# Altium PCB openservo_tessellated.PcbDoc (part 3 of 13)
Units mm, origin at the board's own origin, x right, y up, seen from the top; angles counter-clockwise.
Board outline 225 x 202.5 mm, 2 copper layers (Top Layer, Bottom Layer); 1250 components, 19 nets, 5300 pads, 1100 vias.
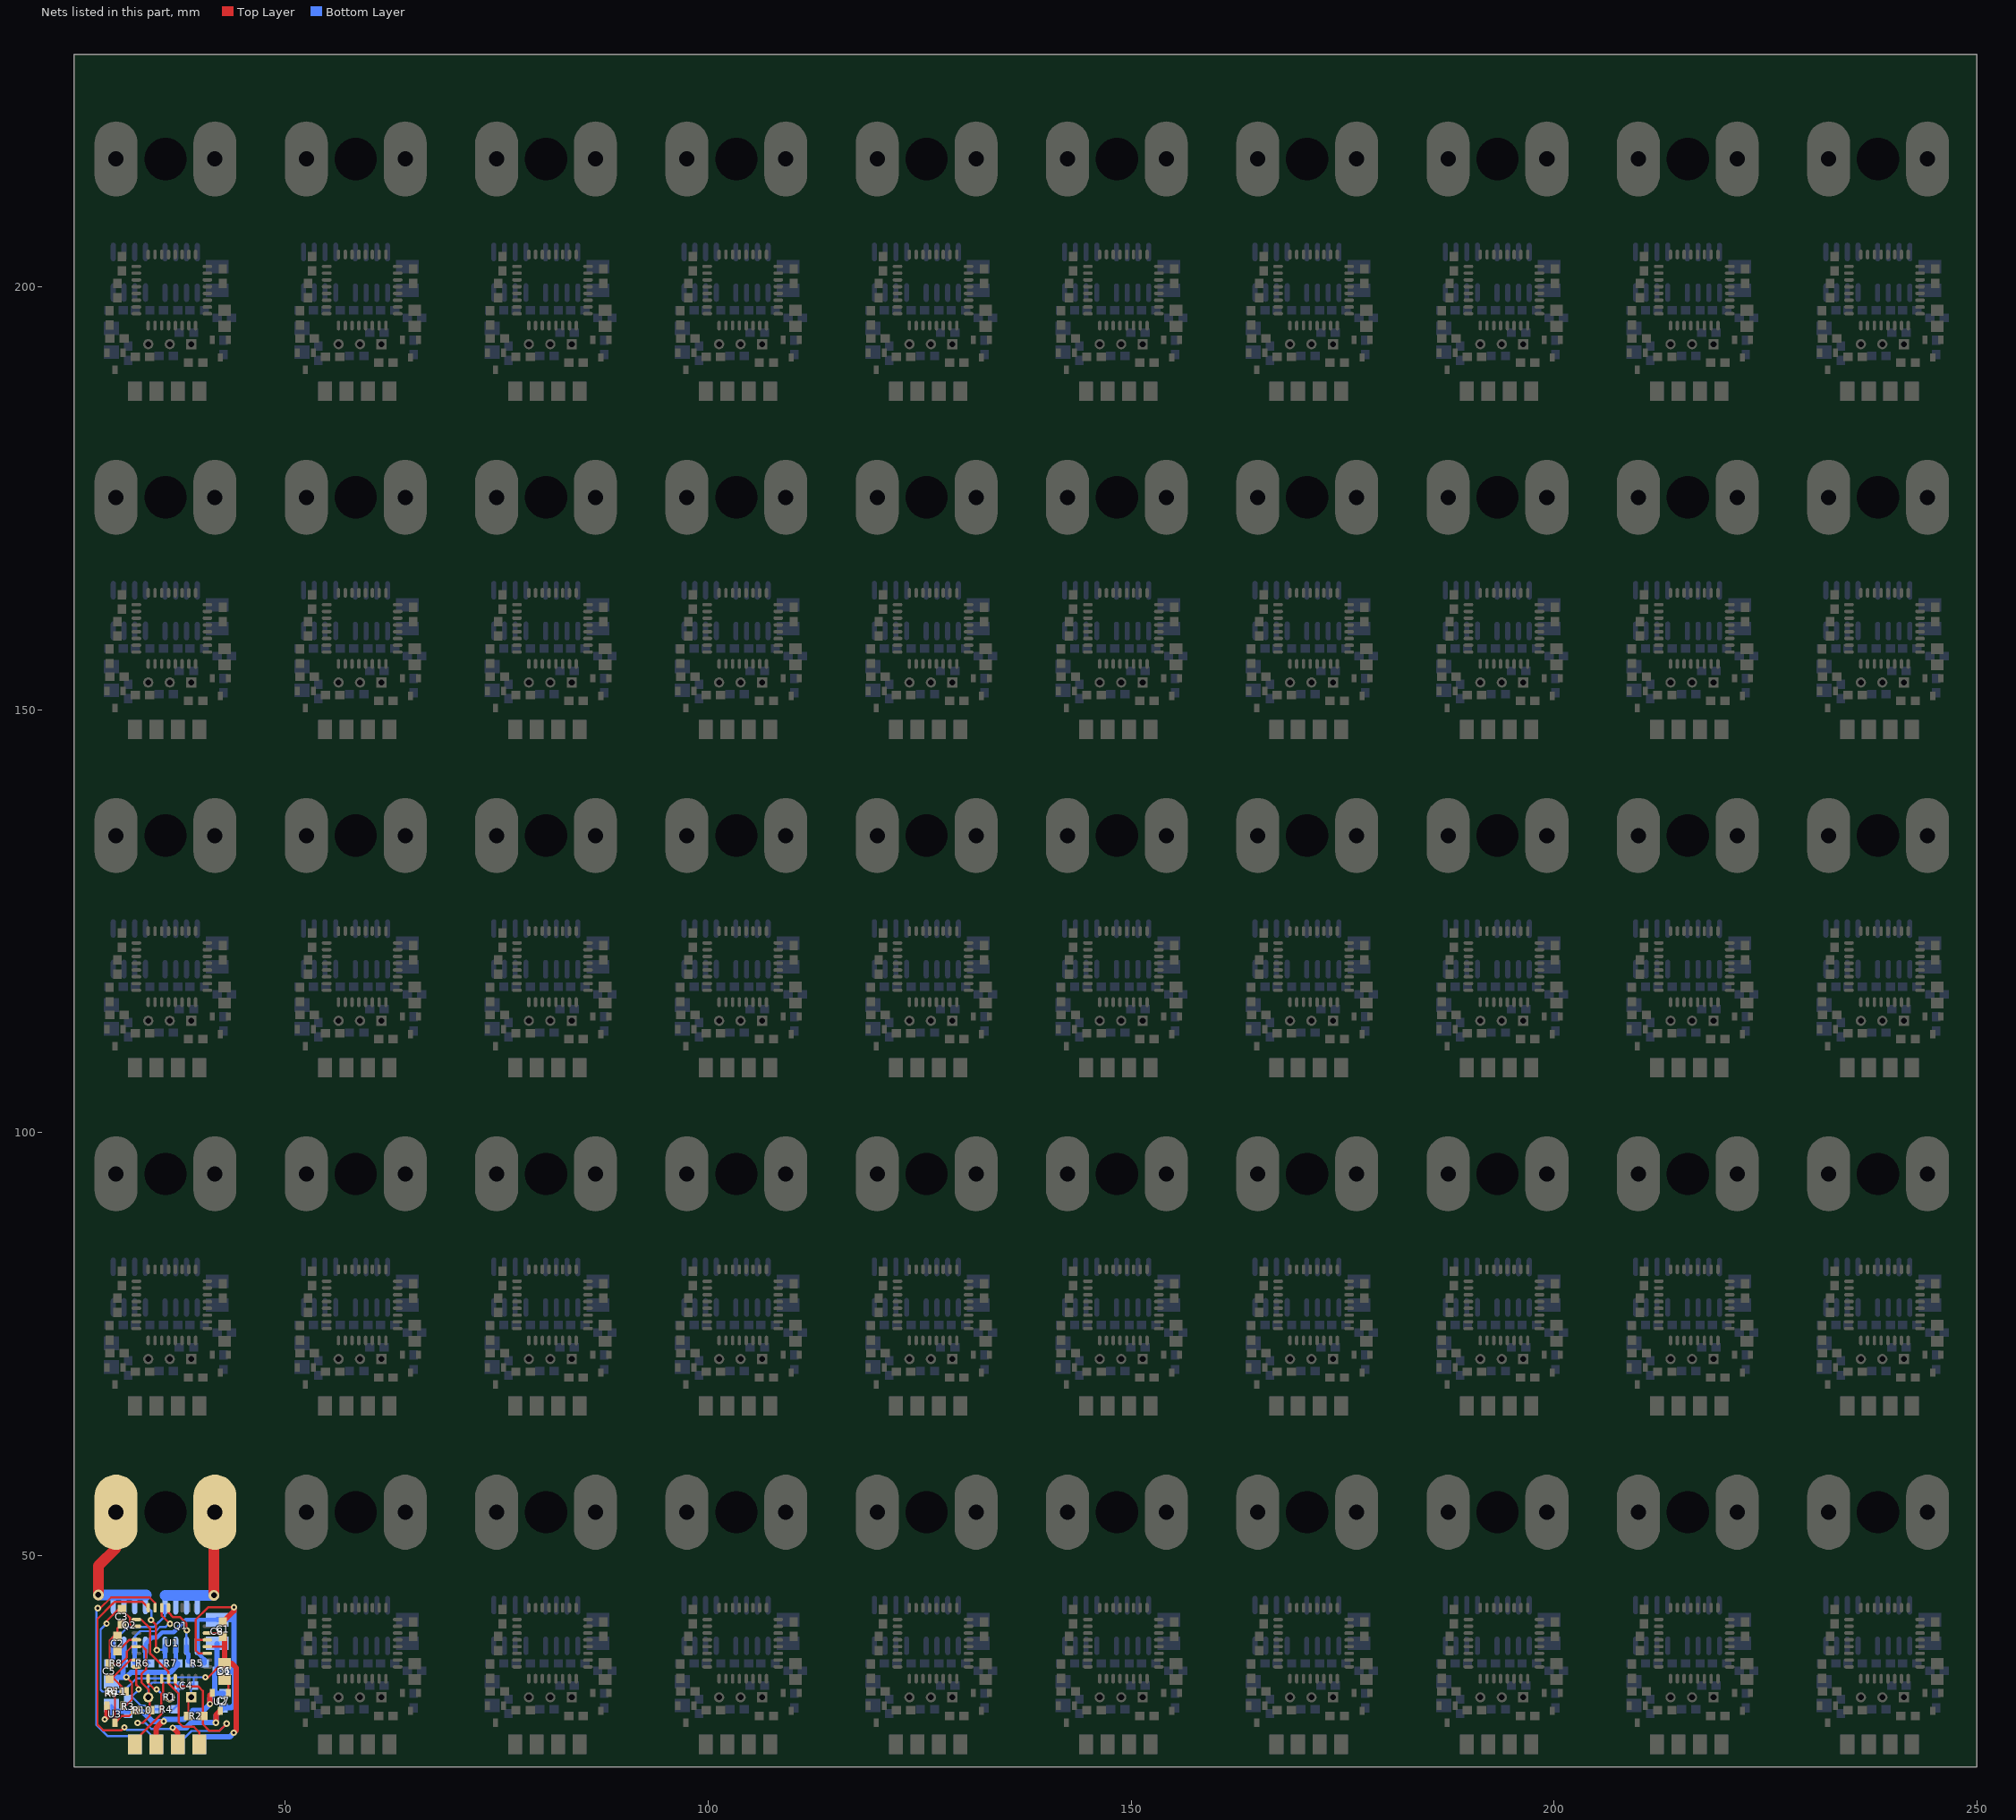
[diagram p3: the nets of this part, all layers, seen from the top]

## Components (designator, comment, footprint, x,y, rotation, side; value= is the part's Value field where it differs from the comment) (continued)
U3_1_1_2_1_1 "Header 3" SOT23_L 97.345,191.217 r270 top (schematic designator U3)
U3_1_1_2_2 "Header 3" SOT23_L 97.345,151.217 r270 top (schematic designator U3)
U3_1_2 "Header 3" SOT23_L 142.345,31.217 r270 top (schematic designator U3)
U3_1_2_1 "Header 3" SOT23_L 142.345,71.217 r270 top (schematic designator U3)
U3_1_2_1_1 "Header 3" SOT23_L 142.345,111.217 r270 top (schematic designator U3)
U3_1_2_1_1_1 "Header 3" SOT23_L 142.345,191.217 r270 top (schematic designator U3)
U3_1_2_1_2 "Header 3" SOT23_L 142.345,151.217 r270 top (schematic designator U3)
U3_1_3 "Header 3" SOT23_L 52.345,71.217 r270 top (schematic designator U3)
U3_1_3_1 "Header 3" SOT23_L 52.345,111.217 r270 top (schematic designator U3)
U3_1_3_1_1 "Header 3" SOT23_L 52.345,191.217 r270 top (schematic designator U3)
U3_1_3_2 "Header 3" SOT23_L 52.345,151.217 r270 top (schematic designator U3)
U3_2 "Header 3" SOT23_L 74.845,31.217 r270 top (schematic designator U3)
U3_2_1 "Header 3" SOT23_L 164.845,31.217 r270 top (schematic designator U3)
U3_2_1_1 "Header 3" SOT23_L 209.845,31.217 r270 top (schematic designator U3)
U3_2_1_1_1 "Header 3" SOT23_L 209.845,71.217 r270 top (schematic designator U3)
U3_2_1_1_1_1 "Header 3" SOT23_L 209.845,111.217 r270 top (schematic designator U3)
U3_2_1_1_1_1_1 "Header 3" SOT23_L 209.845,191.217 r270 top (schematic designator U3)
U3_2_1_1_1_2 "Header 3" SOT23_L 209.845,151.217 r270 top (schematic designator U3)
U3_2_1_2 "Header 3" SOT23_L 164.845,71.217 r270 top (schematic designator U3)
U3_2_1_2_1 "Header 3" SOT23_L 164.845,111.217 r270 top (schematic designator U3)
U3_2_1_2_1_1 "Header 3" SOT23_L 164.845,191.217 r270 top (schematic designator U3)
U3_2_1_2_2 "Header 3" SOT23_L 164.845,151.217 r270 top (schematic designator U3)
U3_2_2 "Header 3" SOT23_L 74.845,71.217 r270 top (schematic designator U3)
U3_2_2_1 "Header 3" SOT23_L 74.845,111.217 r270 top (schematic designator U3)
U3_2_2_1_1 "Header 3" SOT23_L 74.845,191.217 r270 top (schematic designator U3)
U3_2_2_2 "Header 3" SOT23_L 74.845,151.217 r270 top (schematic designator U3)
U3_3 "Header 3" SOT23_L 119.845,31.217 r270 top (schematic designator U3)
U3_3_1 "Header 3" SOT23_L 119.845,71.217 r270 top (schematic designator U3)
U3_3_1_1 "Header 3" SOT23_L 119.845,111.217 r270 top (schematic designator U3)
U3_3_1_1_1 "Header 3" SOT23_L 119.845,191.217 r270 top (schematic designator U3)
U3_3_1_2 "Header 3" SOT23_L 119.845,151.217 r270 top (schematic designator U3)
U3_4 "Header 3" SOT23_L 29.845,71.217 r270 top (schematic designator U3)
U3_4_1 "Header 3" SOT23_L 29.845,111.217 r270 top (schematic designator U3)
U3_4_1_1 "Header 3" SOT23_L 29.845,191.217 r270 top (schematic designator U3)
U3_4_2 "Header 3" SOT23_L 29.845,151.217 r270 top (schematic designator U3)

## Footprints (in the part's own frame and the unit in brackets; to place one, negate y for a bottom-side part, rotate by r counter-clockwise, add the part's x,y. Pads: shape width x height; smd on the part's side, far side on the other; paste and mask are expansions set on the pad)
32A_N [mm] "Thin QFP, 32-Leads, Body 7x7mm, Pitch 0.8mm, IPC Medium Density"
  oval 1.143x0.406 smd paste+0: 1(-4.2,2.8) 2(-4.2,2) 3(-4.2,1.2) 4(-4.2,0.4) 5(-4.2,-0.4) 6(-4.2,-1.2) 7(-4.2,-2) 8(-4.2,-2.8) 17(4.2,-2.8) 18(4.2,-2) 19(4.2,-1.2) 20(4.2,-0.4) 21(4.2,0.4) 22(4.2,1.2) 23(4.2,2) 24(4.2,2.8)
  oval 0.406x1.143 smd paste+0: 9(-2.8,-4.2) 10(-2,-4.2) 11(-1.2,-4.2) 12(-0.4,-4.2) 13(0.4,-4.2) 14(1.2,-4.2) 15(2,-4.2) 16(2.8,-4.2) 25(2.8,4.2) 26(2,4.2) 27(1.2,4.2) 28(0.4,4.2) 29(-0.4,4.2) 30(-1.2,4.2) 31(-2,4.2) 32(-2.8,4.2)
  silkscreen extent -4.33,-2.95 2.95,3.75, body extent -3.5,-3.5 3.5,3.5, height 1.2
1608[0603] [mm] "Chip Capacitor; Body 1.6 x 0.8 mm (LxW typ)"
  rect 1.1x1 smd: 1(-0.85,0) 2(0.85,0)
2012[0805] [mm] "Chip Resistor; Body 2.0 x 1.3 mm (LxW typ)"
  rect 1.3x1.5 smd: 1(-0.95,0) 2(0.95,0)
3216[1206] [mm] "Chip Resistor; Body 3.2 x 1.6 mm (LxW typ)"
  rect 1.6x1.8 smd: 1(-1.4,0) 2(1.4,0)
  silkscreen extent -0.3,-0.8 0.3,0.8
C1210 [mm] "Chip Capacitor; Body 3.2 x 2.5 mm (LxW typ)"
  rect 1.6x2.7 smd: 1(-1.4,0) 2(1.4,0)
  silkscreen extent -0.3,-1.25 0.3,1.25
J1-0603 [mm] "Chip Resistor; Body 1.6 x 0.8 mm (LxW typ)"
  rect 1.1x1 smd: 1(-0.85,0) 2(0.85,0)
MF03A_N [mm] "SOT23, 3-Leads, Body 2.9x1.3mm, Pitch 0.95mm, Lead Span 2.4mm, IPC Medium Density"
  rect 0.965x0.6 smd: 1(-1.05,0.95) 2(-1.05,-0.95) 3(1.05,0)
  silkscreen extent -1.17,-1.5 0.7,1.93, body extent -0.7,-1.5 0.7,1.5, height 1.12
SO-8_N [mm] "SOIC, 8-Leads, Body 4.9x3.9mm, Pitch 1.27mm, IPC Medium Density"
  oval 2.2x0.6 smd: 1(-2.4,1.905) 2(-2.4,0.635) 3(-2.4,-0.635) 4(-2.4,-1.905) 5(2.4,-1.905) 6(2.4,-0.635) 7(2.4,0.635) 8(2.4,1.905)
  silkscreen extent -2.52,-2.5 0.9,2.88, body extent -1.95,-2.45 1.95,2.45, height 1.75
SOT23_L [mm] "SOT23, 3-Leads, Body 2.9x1.3mm, Pitch 0.95mm, Lead Span 2.3mm, IPC High Density"
  rect 1x0.6 smd: 1(-1,0.95) 2(-1,-0.95) 3(1,0)
  silkscreen extent -1.12,-1.5 0.7,1.93, body extent -0.7,-1.5 0.7,1.5, height 1.1
VR5 [mm] "Potentiometer; 3 Leads"
  rect 1.2x1.2 hole 0.7: 1(-2.54,0)
  round 1.2 hole 0.7: 2(0,0) 3(2.54,0)
  silkscreen extent -5.08,-2.54 6.35,2.54

## Part data
C1 C1_1 C1_1_1 C1_1_1_1 C1_1_1_1_1 C1_1_1_1_1_1 C1_1_1_1_1_1_1 C1_1_1_1_1_1_1_1 C1_1_1_1_1_1_2 C1_1_1_1_2 C1_1_1_1_2_1 C1_1_1_1_2_1_1 C1_1_1_1_2_2 C1_1_1_2 C1_1_1_2_1 C1_1_1_2_1_1 C1_1_1_2_2 C1_1_2 C1_1_2_1 C1_1_2_1_1 C1_1_2_1_1_1 C1_1_2_1_2 C1_1_3 C1_1_3_1 C1_1_3_1_1 C1_1_3_2 C1_2 C1_2_1 C1_2_1_1 C1_2_1_1_1 C1_2_1_1_1_1 C1_2_1_1_1_1_1 C1_2_1_1_1_2 C1_2_1_2 C1_2_1_2_1 C1_2_1_2_1_1 C1_2_1_2_2 C1_2_2 C1_2_2_1 C1_2_2_1_1 C1_2_2_2 C1_3 C1_3_1 C1_3_1_1 C1_3_1_1_1 C1_3_1_2 C1_4 C1_4_1 C1_4_1_1 C1_4_2 C2 C2_1 C2_1_1 C2_1_1_1 C2_1_1_1_1 C2_1_1_1_1_1 C2_1_1_1_1_1_1 C2_1_1_1_1_1_1_1 C2_1_1_1_1_1_2 C2_1_1_1_2 C2_1_1_1_2_1 C2_1_1_1_2_1_1 C2_1_1_1_2_2 C2_1_1_2 C2_1_1_2_1 C2_1_1_2_1_1 C2_1_1_2_2 C2_1_2 C2_1_2_1 C2_1_2_1_1 C2_1_2_1_1_1 C2_1_2_1_2 C2_1_3 C2_1_3_1 C2_1_3_1_1 C2_1_3_2 C2_2 C2_2_1 C2_2_1_1 C2_2_1_1_1 C2_2_1_1_1_1 C2_2_1_1_1_1_1 C2_2_1_1_1_2 C2_2_1_2 C2_2_1_2_1 C2_2_1_2_1_1 C2_2_1_2_2 C2_2_2 C2_2_2_1 C2_2_2_1_1 C2_2_2_2 C2_3 C2_3_1 C2_3_1_1 C2_3_1_1_1 C2_3_1_2 C2_4 C2_4_1 C2_4_1_1 C2_4_2 C3 C3_1 C3_1_1 C3_1_1_1 C3_1_1_1_1 C3_1_1_1_1_1 C3_1_1_1_1_1_1 C3_1_1_1_1_1_1_1 C3_1_1_1_1_1_2 C3_1_1_1_2 C3_1_1_1_2_1 C3_1_1_1_2_1_1 C3_1_1_1_2_2 C3_1_1_2 C3_1_1_2_1 C3_1_1_2_1_1 C3_1_1_2_2 C3_1_2 C3_1_2_1 C3_1_2_1_1 C3_1_2_1_1_1 C3_1_2_1_2 C3_1_3 C3_1_3_1 C3_1_3_1_1 C3_1_3_2 C3_2 C3_2_1 C3_2_1_1 C3_2_1_1_1 C3_2_1_1_1_1 C3_2_1_1_1_1_1 C3_2_1_1_1_2 C3_2_1_2 C3_2_1_2_1 C3_2_1_2_1_1 C3_2_1_2_2 C3_2_2 C3_2_2_1 C3_2_2_1_1 C3_2_2_2 C3_3 C3_3_1 C3_3_1_1 C3_3_1_1_1 C3_3_1_2 C3_4 C3_4_1 C3_4_1_1 C3_4_2 C4 C4_1 C4_1_1 C4_1_1_1 C4_1_1_1_1 C4_1_1_1_1_1 C4_1_1_1_1_1_1 C4_1_1_1_1_1_1_1 C4_1_1_1_1_1_2 C4_1_1_1_2 C4_1_1_1_2_1 C4_1_1_1_2_1_1 C4_1_1_1_2_2 C4_1_1_2 C4_1_1_2_1 C4_1_1_2_1_1 C4_1_1_2_2 C4_1_2 C4_1_2_1 C4_1_2_1_1 C4_1_2_1_1_1 C4_1_2_1_2 C4_1_3 C4_1_3_1 C4_1_3_1_1 C4_1_3_2 C4_2 C4_2_1 C4_2_1_1 C4_2_1_1_1 C4_2_1_1_1_1 C4_2_1_1_1_1_1 C4_2_1_1_1_2 C4_2_1_2 C4_2_1_2_1 C4_2_1_2_1_1 C4_2_1_2_2 C4_2_2 C4_2_2_1 C4_2_2_1_1 C4_2_2_2 C4_3 C4_3_1 C4_3_1_1 C4_3_1_1_1 C4_3_1_2 C4_4 C4_4_1 C4_4_1_1 C4_4_2 C5 C5_1 C5_1_1 C5_1_1_1 C5_1_1_1_1 C5_1_1_1_1_1 C5_1_1_1_1_1_1 C5_1_1_1_1_1_1_1 C5_1_1_1_1_1_2 C5_1_1_1_2 C5_1_1_1_2_1 C5_1_1_1_2_1_1 C5_1_1_1_2_2 C5_1_1_2 C5_1_1_2_1 C5_1_1_2_1_1 C5_1_1_2_2 C5_1_2 C5_1_2_1 C5_1_2_1_1 C5_1_2_1_1_1 C5_1_2_1_2 C5_1_3 C5_1_3_1 C5_1_3_1_1 C5_1_3_2 C5_2 C5_2_1 C5_2_1_1 C5_2_1_1_1 C5_2_1_1_1_1 C5_2_1_1_1_1_1 C5_2_1_1_1_2 C5_2_1_2 C5_2_1_2_1 C5_2_1_2_1_1 C5_2_1_2_2 C5_2_2 C5_2_2_1 C5_2_2_1_1 C5_2_2_2 C5_3 C5_3_1 C5_3_1_1 C5_3_1_1_1 C5_3_1_2 C5_4 C5_4_1 C5_4_1_1 C5_4_2 C6 C6_1 C6_1_1 C6_1_1_1 C6_1_1_1_1 C6_1_1_1_1_1 C6_1_1_1_1_1_1 C6_1_1_1_1_1_1_1 C6_1_1_1_1_1_2 C6_1_1_1_2 C6_1_1_1_2_1 C6_1_1_1_2_1_1 C6_1_1_1_2_2 C6_1_1_2 C6_1_1_2_1 C6_1_1_2_1_1 C6_1_1_2_2 C6_1_2 C6_1_2_1 C6_1_2_1_1 C6_1_2_1_1_1 C6_1_2_1_2 C6_1_3 C6_1_3_1 C6_1_3_1_1 C6_1_3_2 C6_2 C6_2_1 C6_2_1_1 C6_2_1_1_1 C6_2_1_1_1_1 C6_2_1_1_1_1_1 C6_2_1_1_1_2 C6_2_1_2 C6_2_1_2_1 C6_2_1_2_1_1 C6_2_1_2_2 C6_2_2 C6_2_2_1 C6_2_2_1_1 C6_2_2_2 C6_3 C6_3_1 C6_3_1_1 C6_3_1_1_1 C6_3_1_2 C6_4 C6_4_1 C6_4_1_1 C6_4_2 C7 C7_1 C7_1_1 C7_1_1_1 C7_1_1_1_1 C7_1_1_1_1_1 C7_1_1_1_1_1_1 C7_1_1_1_1_1_1_1 C7_1_1_1_1_1_2 C7_1_1_1_2 C7_1_1_1_2_1 C7_1_1_1_2_1_1 C7_1_1_1_2_2 C7_1_1_2 C7_1_1_2_1 C7_1_1_2_1_1 C7_1_1_2_2 C7_1_2 C7_1_2_1 C7_1_2_1_1 C7_1_2_1_1_1 C7_1_2_1_2 C7_1_3 C7_1_3_1 C7_1_3_1_1 C7_1_3_2 C7_2 C7_2_1 C7_2_1_1 C7_2_1_1_1 C7_2_1_1_1_1 C7_2_1_1_1_1_1 C7_2_1_1_1_2 C7_2_1_2 C7_2_1_2_1 C7_2_1_2_1_1 C7_2_1_2_2 C7_2_2 C7_2_2_1 C7_2_2_1_1 C7_2_2_2 C7_3 C7_3_1 C7_3_1_1 C7_3_1_1_1 C7_3_1_2 C7_4 C7_4_1 C7_4_1_1 C7_4_2: library part "Cap Semi", "Polarized Capacitor (Surface Mount)"
C8 C8_1 C8_1_1 C8_1_1_1 C8_1_1_1_1 C8_1_1_1_1_1 C8_1_1_1_1_1_1 C8_1_1_1_1_1_1_1 C8_1_1_1_1_1_2 C8_1_1_1_2 C8_1_1_1_2_1 C8_1_1_1_2_1_1 C8_1_1_1_2_2 C8_1_1_2 C8_1_1_2_1 C8_1_1_2_1_1 C8_1_1_2_2 C8_1_2 C8_1_2_1 C8_1_2_1_1 C8_1_2_1_1_1 C8_1_2_1_2 C8_1_3 C8_1_3_1 C8_1_3_1_1 C8_1_3_2 C8_2 C8_2_1 C8_2_1_1 C8_2_1_1_1 C8_2_1_1_1_1 C8_2_1_1_1_1_1 C8_2_1_1_1_2 C8_2_1_2 C8_2_1_2_1 C8_2_1_2_1_1 C8_2_1_2_2 C8_2_2 C8_2_2_1 C8_2_2_1_1 C8_2_2_2 C8_3 C8_3_1 C8_3_1_1 C8_3_1_1_1 C8_3_1_2 C8_4 C8_4_1 C8_4_1_1 C8_4_2: "Capacitor (Semiconductor SIM Model)"
D1 D1_1 D1_1_1 D1_1_1_1 D1_1_1_1_1 D1_1_1_1_1_1 D1_1_1_1_1_1_1 D1_1_1_1_1_1_1_1 D1_1_1_1_1_1_2 D1_1_1_1_2 D1_1_1_1_2_1 D1_1_1_1_2_1_1 D1_1_1_1_2_2 D1_1_1_2 D1_1_1_2_1 D1_1_1_2_1_1 D1_1_1_2_2 D1_1_2 D1_1_2_1 D1_1_2_1_1 D1_1_2_1_1_1 D1_1_2_1_2 D1_1_3 D1_1_3_1 D1_1_3_1_1 D1_1_3_2 D1_2 D1_2_1 D1_2_1_1 D1_2_1_1_1 D1_2_1_1_1_1 D1_2_1_1_1_1_1 D1_2_1_1_1_2 D1_2_1_2 D1_2_1_2_1 D1_2_1_2_1_1 D1_2_1_2_2 D1_2_2 D1_2_2_1 D1_2_2_1_1 D1_2_2_2 D1_3 D1_3_1 D1_3_1_1 D1_3_1_1_1 D1_3_1_2 D1_4 D1_4_1 D1_4_1_1 D1_4_2: library part "Res Semi", "Semiconductor Resistor"
Q1 Q1_1 Q1_1_1 Q1_1_1_1 Q1_1_1_1_1 Q1_1_1_1_1_1 Q1_1_1_1_1_1_1 Q1_1_1_1_1_1_1_1 Q1_1_1_1_1_1_2 Q1_1_1_1_2 Q1_1_1_1_2_1 Q1_1_1_1_2_1_1 Q1_1_1_1_2_2 Q1_1_1_2 Q1_1_1_2_1 Q1_1_1_2_1_1 Q1_1_1_2_2 Q1_1_2 Q1_1_2_1 Q1_1_2_1_1 Q1_1_2_1_1_1 Q1_1_2_1_2 Q1_1_3 Q1_1_3_1 Q1_1_3_1_1 Q1_1_3_2 Q1_2 Q1_2_1 Q1_2_1_1 Q1_2_1_1_1 Q1_2_1_1_1_1 Q1_2_1_1_1_1_1 Q1_2_1_1_1_2 Q1_2_1_2 Q1_2_1_2_1 Q1_2_1_2_1_1 Q1_2_1_2_2 Q1_2_2 Q1_2_2_1 Q1_2_2_1_1 Q1_2_2_2 Q1_3 Q1_3_1 Q1_3_1_1 Q1_3_1_1_1 Q1_3_1_2 Q1_4 Q1_4_1 Q1_4_1_1 Q1_4_2 Q2 Q2_1 Q2_1_1 Q2_1_1_1 Q2_1_1_1_1 Q2_1_1_1_1_1 Q2_1_1_1_1_1_1 Q2_1_1_1_1_1_1_1 Q2_1_1_1_1_1_2 Q2_1_1_1_2 Q2_1_1_1_2_1 Q2_1_1_1_2_1_1 Q2_1_1_1_2_2 Q2_1_1_2 Q2_1_1_2_1 Q2_1_1_2_1_1 Q2_1_1_2_2 Q2_1_2 Q2_1_2_1 Q2_1_2_1_1 Q2_1_2_1_1_1 Q2_1_2_1_2 Q2_1_3 Q2_1_3_1 Q2_1_3_1_1 Q2_1_3_2 Q2_2 Q2_2_1 Q2_2_1_1 Q2_2_1_1_1 Q2_2_1_1_1_1 Q2_2_1_1_1_1_1 Q2_2_1_1_1_2 Q2_2_1_2 Q2_2_1_2_1 Q2_2_1_2_1_1 Q2_2_1_2_2 Q2_2_2 Q2_2_2_1 Q2_2_2_1_1 Q2_2_2_2 Q2_3 Q2_3_1 Q2_3_1_1 Q2_3_1_1_1 Q2_3_1_2 Q2_4 Q2_4_1 Q2_4_1_1 Q2_4_2: "HEXFET Power MOSFET"
R1 R1_1 R1_1_1 R1_1_1_1 R1_1_1_1_1 R1_1_1_1_1_1 R1_1_1_1_1_1_1 R1_1_1_1_1_1_1_1 R1_1_1_1_1_1_2 R1_1_1_1_2 R1_1_1_1_2_1 R1_1_1_1_2_1_1 R1_1_1_1_2_2 R1_1_1_2 R1_1_1_2_1 R1_1_1_2_1_1 R1_1_1_2_2 R1_1_2 R1_1_2_1 R1_1_2_1_1 R1_1_2_1_1_1 R1_1_2_1_2 R1_1_3 R1_1_3_1 R1_1_3_1_1 R1_1_3_2 R1_2 R1_2_1 R1_2_1_1 R1_2_1_1_1 R1_2_1_1_1_1 R1_2_1_1_1_1_1 R1_2_1_1_1_2 R1_2_1_2 R1_2_1_2_1 R1_2_1_2_1_1 R1_2_1_2_2 R1_2_2 R1_2_2_1 R1_2_2_1_1 R1_2_2_2 R1_3 R1_3_1 R1_3_1_1 R1_3_1_1_1 R1_3_1_2 R1_4 R1_4_1 R1_4_1_1 R1_4_2: "Potentiometer"
R2 R2_1 R2_1_1 R2_1_1_1 R2_1_1_1_1 R2_1_1_1_1_1 R2_1_1_1_1_1_1 R2_1_1_1_1_1_1_1 R2_1_1_1_1_1_2 R2_1_1_1_2 R2_1_1_1_2_1 R2_1_1_1_2_1_1 R2_1_1_1_2_2 R2_1_1_2 R2_1_1_2_1 R2_1_1_2_1_1 R2_1_1_2_2 R2_1_2 R2_1_2_1 R2_1_2_1_1 R2_1_2_1_1_1 R2_1_2_1_2 R2_1_3 R2_1_3_1 R2_1_3_1_1 R2_1_3_2 R2_2 R2_2_1 R2_2_1_1 R2_2_1_1_1 R2_2_1_1_1_1 R2_2_1_1_1_1_1 R2_2_1_1_1_2 R2_2_1_2 R2_2_1_2_1 R2_2_1_2_1_1 R2_2_1_2_2 R2_2_2 R2_2_2_1 R2_2_2_1_1 R2_2_2_2 R2_3 R2_3_1 R2_3_1_1 R2_3_1_1_1 R2_3_1_2 R2_4 R2_4_1 R2_4_1_1 R2_4_2 R3 R3_1 R3_1_1 R3_1_1_1 R3_1_1_1_1 R3_1_1_1_1_1 R3_1_1_1_1_1_1 R3_1_1_1_1_1_1_1 R3_1_1_1_1_1_2 R3_1_1_1_2 R3_1_1_1_2_1 R3_1_1_1_2_1_1 R3_1_1_1_2_2 R3_1_1_2 R3_1_1_2_1 R3_1_1_2_1_1 R3_1_1_2_2 R3_1_2 R3_1_2_1 R3_1_2_1_1 R3_1_2_1_1_1 R3_1_2_1_2 R3_1_3 R3_1_3_1 R3_1_3_1_1 R3_1_3_2 R3_2 R3_2_1 R3_2_1_1 R3_2_1_1_1 R3_2_1_1_1_1 R3_2_1_1_1_1_1 R3_2_1_1_1_2 R3_2_1_2 R3_2_1_2_1 R3_2_1_2_1_1 R3_2_1_2_2 R3_2_2 R3_2_2_1 R3_2_2_1_1 R3_2_2_2 R3_3 R3_3_1 R3_3_1_1 R3_3_1_1_1 R3_3_1_2 R3_4 R3_4_1 R3_4_1_1 R3_4_2 R4 R4_1 R4_1_1 R4_1_1_1 R4_1_1_1_1 R4_1_1_1_1_1 R4_1_1_1_1_1_1 R4_1_1_1_1_1_1_1 R4_1_1_1_1_1_2 R4_1_1_1_2 R4_1_1_1_2_1 R4_1_1_1_2_1_1 R4_1_1_1_2_2 R4_1_1_2 R4_1_1_2_1 R4_1_1_2_1_1 R4_1_1_2_2 R4_1_2 R4_1_2_1 R4_1_2_1_1 R4_1_2_1_1_1 R4_1_2_1_2 R4_1_3 R4_1_3_1 R4_1_3_1_1 R4_1_3_2 R4_2 R4_2_1 R4_2_1_1 R4_2_1_1_1 R4_2_1_1_1_1 R4_2_1_1_1_1_1 R4_2_1_1_1_2 R4_2_1_2 R4_2_1_2_1 R4_2_1_2_1_1 R4_2_1_2_2 R4_2_2 R4_2_2_1 R4_2_2_1_1 R4_2_2_2 R4_3 R4_3_1 R4_3_1_1 R4_3_1_1_1 R4_3_1_2 R4_4 R4_4_1 R4_4_1_1 R4_4_2 R5 R5_1 R5_1_1 R5_1_1_1 R5_1_1_1_1 R5_1_1_1_1_1 R5_1_1_1_1_1_1 R5_1_1_1_1_1_1_1 R5_1_1_1_1_1_2 R5_1_1_1_2 R5_1_1_1_2_1 R5_1_1_1_2_1_1 R5_1_1_1_2_2 R5_1_1_2 R5_1_1_2_1 R5_1_1_2_1_1 R5_1_1_2_2 R5_1_2 R5_1_2_1 R5_1_2_1_1 R5_1_2_1_1_1 R5_1_2_1_2 R5_1_3 R5_1_3_1 R5_1_3_1_1 R5_1_3_2 R5_2 R5_2_1 R5_2_1_1 R5_2_1_1_1 R5_2_1_1_1_1 R5_2_1_1_1_1_1 R5_2_1_1_1_2 R5_2_1_2 R5_2_1_2_1 R5_2_1_2_1_1 R5_2_1_2_2 R5_2_2 R5_2_2_1 R5_2_2_1_1 R5_2_2_2 R5_3 R5_3_1 R5_3_1_1 R5_3_1_1_1 R5_3_1_2 R5_4 R5_4_1 R5_4_1_1 R5_4_2 R6 R6_1 R6_1_1 R6_1_1_1 R6_1_1_1_1 R6_1_1_1_1_1 R6_1_1_1_1_1_1 R6_1_1_1_1_1_1_1 R6_1_1_1_1_1_2 R6_1_1_1_2 R6_1_1_1_2_1 R6_1_1_1_2_1_1 R6_1_1_1_2_2 R6_1_1_2 R6_1_1_2_1 R6_1_1_2_1_1 R6_1_1_2_2 R6_1_2 R6_1_2_1 R6_1_2_1_1 R6_1_2_1_1_1 R6_1_2_1_2 R6_1_3 R6_1_3_1 R6_1_3_1_1 R6_1_3_2 R6_2 R6_2_1 R6_2_1_1 R6_2_1_1_1 R6_2_1_1_1_1 R6_2_1_1_1_1_1 R6_2_1_1_1_2 R6_2_1_2 R6_2_1_2_1 R6_2_1_2_1_1 R6_2_1_2_2 R6_2_2 R6_2_2_1 R6_2_2_1_1 R6_2_2_2 R6_3 R6_3_1 R6_3_1_1 R6_3_1_1_1 R6_3_1_2 R6_4 R6_4_1 R6_4_1_1 R6_4_2 R7 R7_1 R7_1_1 R7_1_1_1 R7_1_1_1_1 R7_1_1_1_1_1 R7_1_1_1_1_1_1 R7_1_1_1_1_1_1_1 R7_1_1_1_1_1_2 R7_1_1_1_2 R7_1_1_1_2_1 R7_1_1_1_2_1_1 R7_1_1_1_2_2 R7_1_1_2 R7_1_1_2_1 R7_1_1_2_1_1 R7_1_1_2_2 R7_1_2 R7_1_2_1 R7_1_2_1_1 R7_1_2_1_1_1 R7_1_2_1_2 R7_1_3 R7_1_3_1 R7_1_3_1_1 R7_1_3_2 R7_2 R7_2_1 R7_2_1_1 R7_2_1_1_1 R7_2_1_1_1_1 R7_2_1_1_1_1_1 R7_2_1_1_1_2 R7_2_1_2 R7_2_1_2_1 R7_2_1_2_1_1 R7_2_1_2_2 R7_2_2 R7_2_2_1 R7_2_2_1_1 R7_2_2_2 R7_3 R7_3_1 R7_3_1_1 R7_3_1_1_1 R7_3_1_2 R7_4 R7_4_1 R7_4_1_1 R7_4_2 R8 R8_1 R8_1_1 R8_1_1_1 R8_1_1_1_1 R8_1_1_1_1_1 R8_1_1_1_1_1_1 R8_1_1_1_1_1_1_1 R8_1_1_1_1_1_2 R8_1_1_1_2 R8_1_1_1_2_1 R8_1_1_1_2_1_1 R8_1_1_1_2_2 R8_1_1_2 R8_1_1_2_1 R8_1_1_2_1_1 R8_1_1_2_2 R8_1_2 R8_1_2_1 R8_1_2_1_1 R8_1_2_1_1_1 R8_1_2_1_2 R8_1_3 R8_1_3_1 R8_1_3_1_1 R8_1_3_2 R8_2 R8_2_1 R8_2_1_1 R8_2_1_1_1 R8_2_1_1_1_1 R8_2_1_1_1_1_1 R8_2_1_1_1_2 R8_2_1_2 R8_2_1_2_1 R8_2_1_2_1_1 R8_2_1_2_2 R8_2_2 R8_2_2_1 R8_2_2_1_1 R8_2_2_2 R8_3 R8_3_1 R8_3_1_1 R8_3_1_1_1 R8_3_1_2 R8_4 R8_4_1 R8_4_1_1 R8_4_2 R9 R9_1 R9_1_1 R9_1_1_1 R9_1_1_1_1 R9_1_1_1_1_1 R9_1_1_1_1_1_1 R9_1_1_1_1_1_1_1 R9_1_1_1_1_1_2 R9_1_1_1_2 R9_1_1_1_2_1 R9_1_1_1_2_1_1 R9_1_1_1_2_2 R9_1_1_2 R9_1_1_2_1 R9_1_1_2_1_1 R9_1_1_2_2 R9_1_2 R9_1_2_1 R9_1_2_1_1 R9_1_2_1_1_1 R9_1_2_1_2 R9_1_3 R9_1_3_1 R9_1_3_1_1 R9_1_3_2 R9_2 R9_2_1 R9_2_1_1 R9_2_1_1_1 R9_2_1_1_1_1 R9_2_1_1_1_1_1 R9_2_1_1_1_2 R9_2_1_2 R9_2_1_2_1 R9_2_1_2_1_1 R9_2_1_2_2 R9_2_2 R9_2_2_1 R9_2_2_1_1 R9_2_2_2 R9_3 R9_3_1 R9_3_1_1 R9_3_1_1_1 R9_3_1_2 R9_4 R9_4_1 R9_4_1_1 R9_4_2 R10 R10_1 R10_1_1 R10_1_1_1 R10_1_1_1_1 R10_1_1_1_1_1 R10_1_1_1_1_1_1 R10_1_1_1_1_1_1_1 R10_1_1_1_1_1_2 R10_1_1_1_2 R10_1_1_1_2_1 R10_1_1_1_2_1_1 R10_1_1_1_2_2 R10_1_1_2 R10_1_1_2_1 R10_1_1_2_1_1 R10_1_1_2_2 R10_1_2 R10_1_2_1 R10_1_2_1_1 R10_1_2_1_1_1 R10_1_2_1_2 R10_1_3 R10_1_3_1 R10_1_3_1_1 R10_1_3_2 R10_2 R10_2_1 R10_2_1_1 R10_2_1_1_1 R10_2_1_1_1_1 R10_2_1_1_1_1_1 R10_2_1_1_1_2 R10_2_1_2 R10_2_1_2_1 R10_2_1_2_1_1 R10_2_1_2_2 R10_2_2 R10_2_2_1 R10_2_2_1_1 R10_2_2_2 R10_3 R10_3_1 R10_3_1_1 R10_3_1_1_1 R10_3_1_2 R10_4 R10_4_1 R10_4_1_1 R10_4_2 R11 R11_1 R11_1_1 R11_1_1_1 R11_1_1_1_1 R11_1_1_1_1_1 R11_1_1_1_1_1_1 R11_1_1_1_1_1_1_1 R11_1_1_1_1_1_2 R11_1_1_1_2 R11_1_1_1_2_1 R11_1_1_1_2_1_1 R11_1_1_1_2_2 R11_1_1_2 R11_1_1_2_1 R11_1_1_2_1_1 R11_1_1_2_2 R11_1_2 R11_1_2_1 R11_1_2_1_1 R11_1_2_1_1_1 R11_1_2_1_2 R11_1_3 R11_1_3_1 R11_1_3_1_1 R11_1_3_2 R11_2 R11_2_1 R11_2_1_1 R11_2_1_1_1 R11_2_1_1_1_1 R11_2_1_1_1_1_1 R11_2_1_1_1_2 R11_2_1_2 R11_2_1_2_1 R11_2_1_2_1_1 R11_2_1_2_2 R11_2_2 R11_2_2_1 R11_2_2_1_1 R11_2_2_2 R11_3 R11_3_1 R11_3_1_1 R11_3_1_1_1 R11_3_1_2 R11_4 R11_4_1 R11_4_1_1 R11_4_2: "Semiconductor Resistor"